# KiCad board kim-1.kicad_pcb (continued)
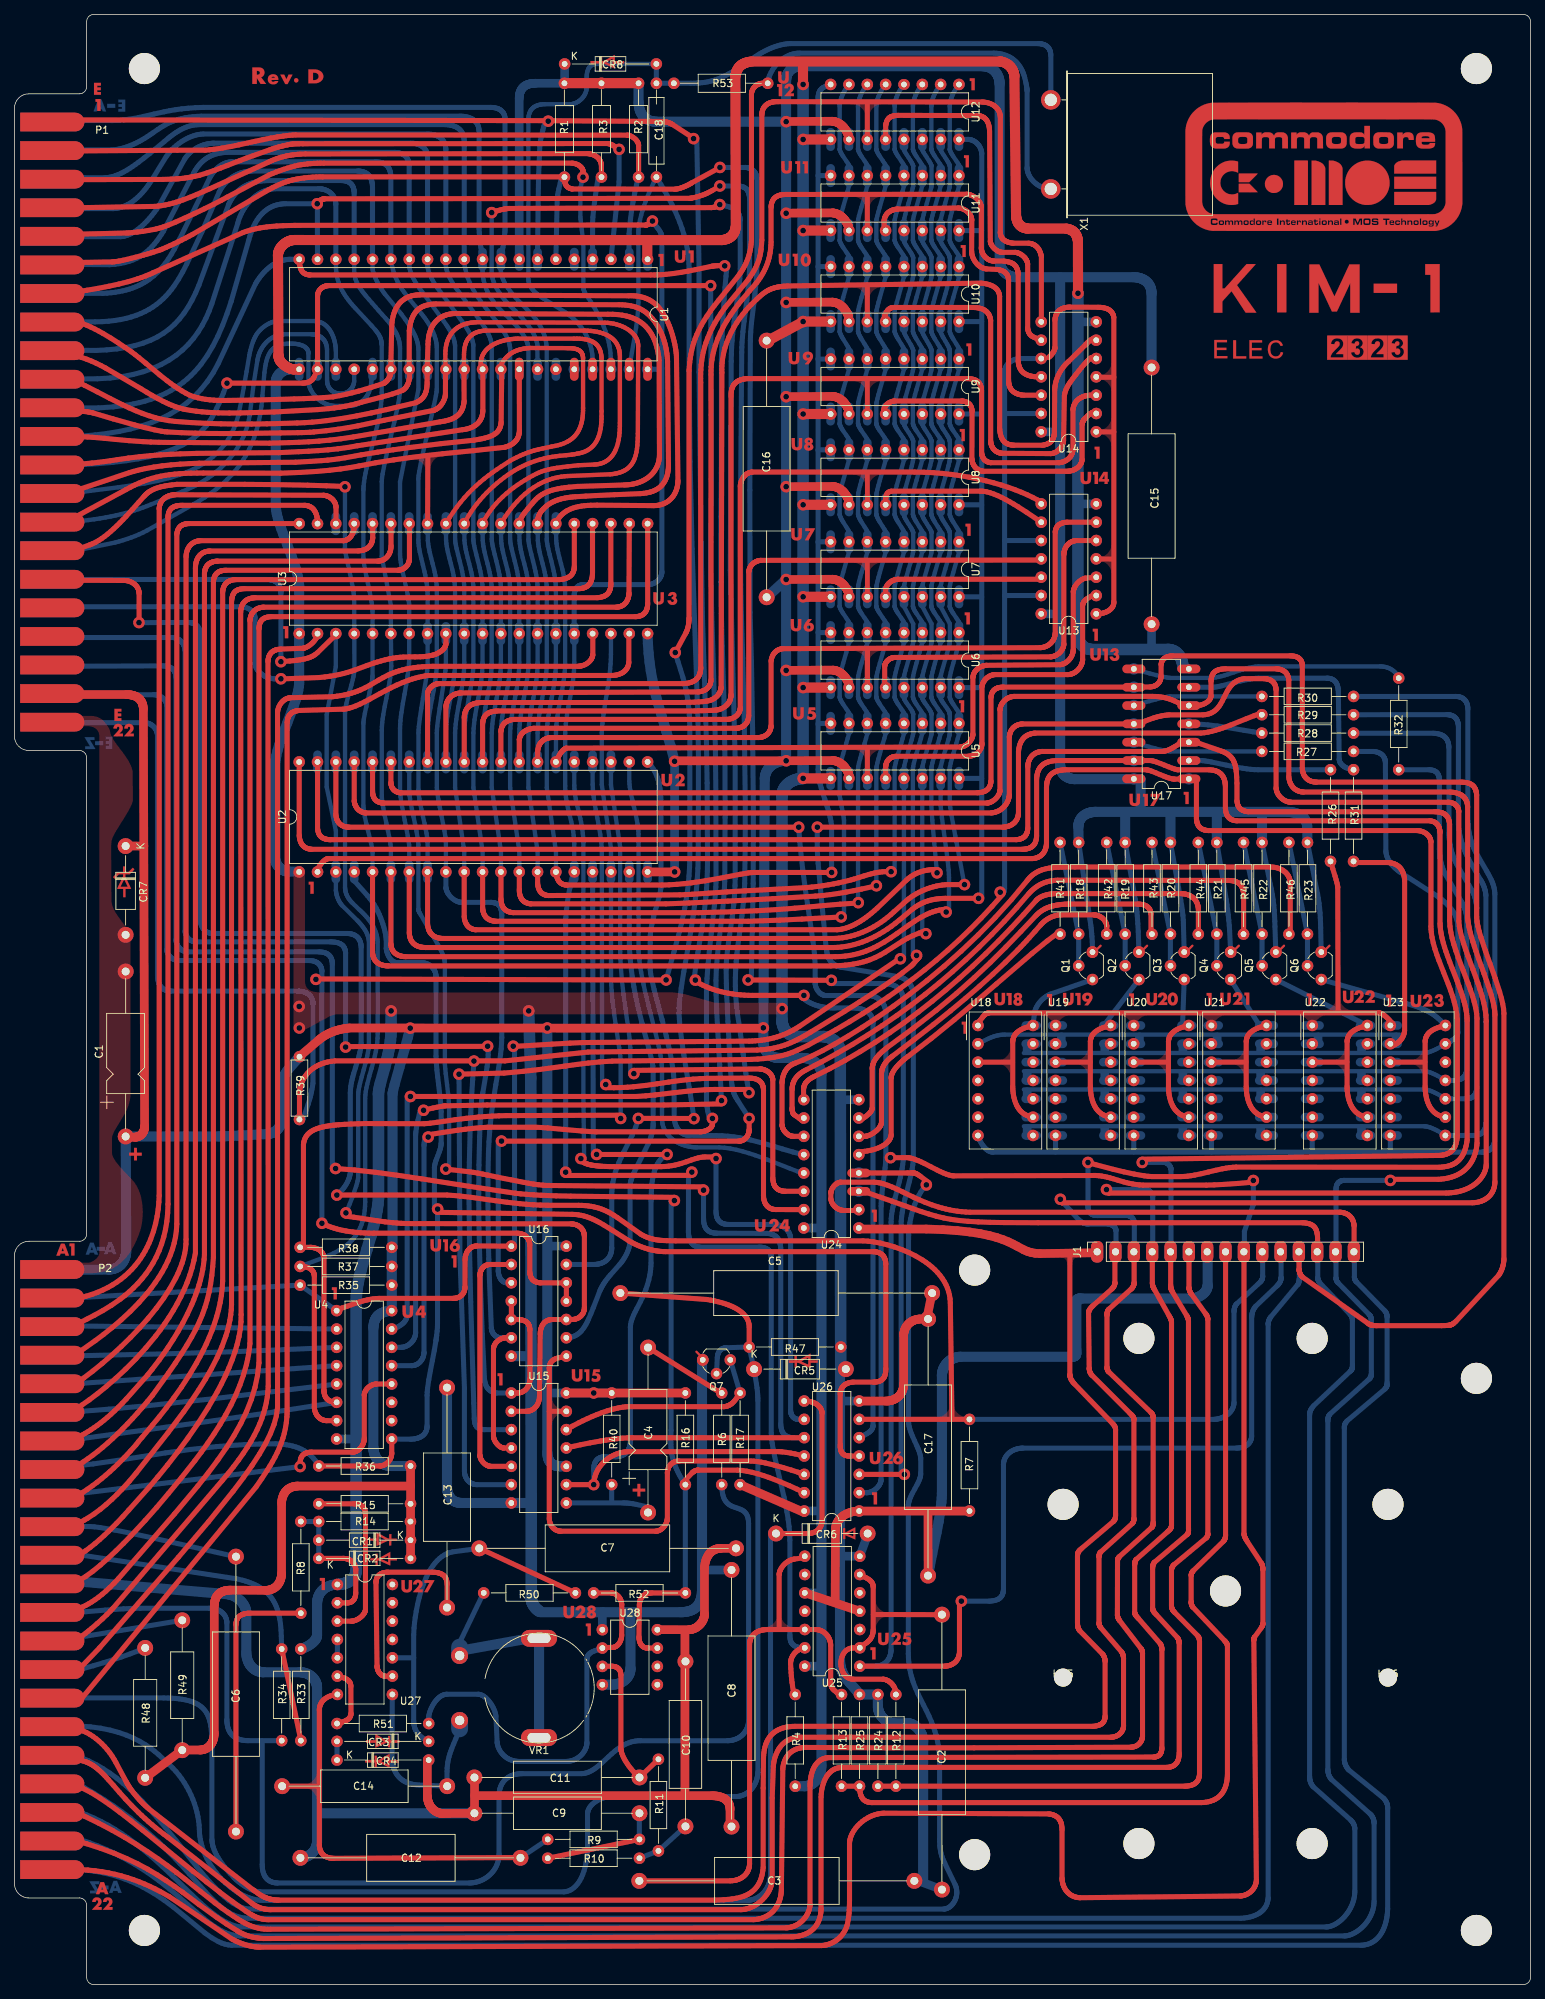
[diagram p0: board, top side]
## Routing (per net, layer and track width the routed paths; a pad name or vN(x,y) marks a point on that pad's centre or on a via; arc(x,y) is an arc through that point) (continued)
Net-(U25A-THR): length 35.6
  Top w0.7: 122.1,40.19 122.1,40.31 122.09,40.43 122.07,40.55 122.05,40.66 122.03,40.77 122,40.88 121.96,40.98 121.92,41.08 121.88,41.17 121.83,41.27 121.78,41.35 121.72,41.44 121.66,41.52 121.6,41.6 121.53,41.67 121.47,41.74 121.4,41.81 121.33,41.87 121.25,41.93 121.18,41.98 121.1,42.03 121.03,42.08 120.95,42.12 120.87,42.16 120.8,42.2 120.72,42.23 120.64,42.25 120.57,42.27 120.49,42.29 120.42,42.3 120.34,42.31 120.27,42.31 116.22,42.31 116.02,42.33 115.82,42.36 115.64,42.42 115.47,42.5 115.32,42.6 115.18,42.71 115.05,42.84 114.93,42.99 114.83,43.15 114.74,43.31 114.66,43.49 114.6,43.68 114.55,43.87 114.51,44.07 114.49,44.27 114.48,44.47 114.48,44.67 114.5,44.87 114.53,45.07 114.58,45.26 114.64,45.45 114.71,45.63 114.8,45.8 114.9,45.96 115.01,46.1 115.14,46.24 115.29,46.35 115.44,46.46 115.62,46.54 115.8,46.6 116.01,46.64 116.22,46.66 117.09,46.65 117.71,47.14 117.89,47.26 118.05,47.39 118.13,47.45 118.2,47.51 118.27,47.57 118.33,47.63 118.39,47.7 118.45,47.76 118.5,47.82 118.55,47.88 118.59,47.95 118.63,48.01 118.71,48.14 118.77,48.26 118.82,48.39 118.86,48.52 118.89,48.65 118.92,48.78 118.93,48.91 118.95,49.04 118.95,49.18 118.95,55.06 118.95,55.15 118.94,55.24 118.93,55.33 118.91,55.41 118.88,55.48 118.85,55.56 118.82,55.63 118.78,55.69 118.74,55.76 118.7,55.82 118.65,55.88 118.59,55.93 118.54,55.99 118.48,56.04 118.35,56.14 118.21,56.23 118.06,56.31 117.91,56.39 117.76,56.47 117.11,56.77 ; 128.47,51.26 118.97,51.28
Net-(U25B-THR): length 80.5
  Top w0.7: 105.92,49.22 105.92,56.78 105.92,56.87 105.93,56.95 105.94,57.03 105.96,57.12 105.99,57.2 106.02,57.29 106.05,57.38 106.09,57.46 106.18,57.64 106.29,57.81 106.41,57.98 106.55,58.14 106.7,58.29 106.87,58.43 107.04,58.56 107.13,58.62 107.23,58.68 107.32,58.73 107.42,58.78 107.52,58.82 107.62,58.86 107.72,58.89 107.83,58.92 107.93,58.94 108.04,58.96 109.48,59.17 ; 86.57,14.37 99.17,14.37 99.44,14.39 99.71,14.42 99.84,14.45 99.96,14.48 100.09,14.52 100.21,14.56 100.32,14.6 100.44,14.65 100.55,14.7 100.66,14.76 100.76,14.82 100.86,14.89 100.95,14.96 101.05,15.04 101.13,15.12 101.22,15.2 101.29,15.29 101.37,15.38 101.44,15.47 101.5,15.57 101.56,15.68 101.61,15.78 101.66,15.89 101.7,16.01 101.74,16.12 101.77,16.24 101.79,16.37 101.81,16.5 101.82,16.63 101.82,16.76 101.82,47.18 101.83,47.29 101.84,47.41 101.85,47.52 101.88,47.63 101.9,47.73 101.94,47.83 101.97,47.93 102.02,48.02 102.07,48.11 102.12,48.2 102.18,48.29 102.24,48.37 102.31,48.44 102.38,48.52 102.46,48.59 102.54,48.65 102.62,48.72 102.71,48.77 102.8,48.83 102.9,48.88 103,48.93 103.1,48.97 103.2,49.01 103.31,49.05 103.42,49.08 103.54,49.11 103.65,49.13 103.77,49.16 103.89,49.17 104.02,49.18 104.14,49.19 104.27,49.2 109.49,49.2 110.93,49.2 111.04,49.19 111.15,49.18 111.26,49.17 111.37,49.15 111.47,49.12 111.57,49.09 111.67,49.06 111.77,49.02 111.86,48.97 111.96,48.92 112.04,48.87 112.13,48.81 112.21,48.75 112.29,48.68 112.37,48.61 112.44,48.54 112.51,48.46 112.58,48.38 112.64,48.3 112.7,48.21 112.75,48.12 112.8,48.03 112.85,47.93 112.89,47.83 112.93,47.73 112.96,47.63 112.99,47.52 113.01,47.42 113.03,47.31 113.05,47.19 113.05,47.08 113.06,46.97 113.06,41.85 113.06,41.76 113.07,41.67 113.08,41.59 113.1,41.51 113.11,41.44 113.14,41.37 113.16,41.31 113.19,41.24 113.22,41.18 113.25,41.13 113.28,41.07 113.32,41.02 113.36,40.98 113.4,40.93 113.48,40.84 113.57,40.76 113.66,40.68 113.84,40.53 113.93,40.45 114.01,40.37 114.1,40.28 114.13,40.24 114.17,40.19 114.56,40.19
Net-(U27-C): length 29.4
  Top w0.7: 52.36,42.73 51.38,42.74 51.32,42.74 51.25,42.75 51.19,42.76 51.13,42.77 51.07,42.79 51.01,42.81 50.95,42.84 50.9,42.87 50.85,42.9 50.8,42.94 50.75,42.98 50.7,43.02 50.66,43.06 50.61,43.11 50.57,43.16 50.54,43.21 50.5,43.26 50.46,43.32 50.43,43.37 50.4,43.43 50.37,43.49 50.35,43.55 50.33,43.61 50.3,43.67 50.29,43.73 50.27,43.79 50.26,43.86 50.24,43.92 50.24,43.98 50.23,44.05 50.23,44.11 50.22,44.17 50.08,55.68 50.08,55.77 50.08,55.86 50.09,55.94 50.11,56.02 50.12,56.09 50.14,56.17 50.17,56.24 50.19,56.31 50.22,56.38 50.26,56.44 50.29,56.5 50.33,56.56 50.37,56.62 50.42,56.67 50.47,56.72 50.52,56.77 50.58,56.81 50.64,56.85 50.7,56.89 50.76,56.93 50.83,56.96 50.9,56.99 50.98,57.02 51.05,57.04 51.13,57.07 51.22,57.09 51.3,57.1 51.39,57.11 51.48,57.12 51.58,57.13 51.68,57.14 51.78,57.14 57.81,57.14 58.09,57.13 58.23,57.12 58.35,57.11 58.47,57.09 58.59,57.07 58.69,57.05 58.8,57.02 58.9,56.99 58.99,56.96 59.08,56.92 59.16,56.88 59.24,56.84 59.32,56.79 59.39,56.74 59.45,56.69 59.51,56.63 59.57,56.57 59.62,56.51 59.67,56.44 59.71,56.38 59.75,56.3 59.78,56.23 59.81,56.16 59.84,56.08 59.86,56 59.9,55.83 59.92,55.65 59.93,55.46 59.93,52.21
Net-(U27-DEM_OUT): length 61
  Top w0.7: 37.09,27.49 42.22,27.49 ; 44.72,40.19 44.53,40.17 44.32,40.15 44.12,40.11 43.91,40.05 43.7,39.98 43.49,39.89 43.29,39.79 43.1,39.66 43.01,39.6 42.92,39.53 42.84,39.45 42.76,39.37 42.68,39.29 42.61,39.2 42.55,39.1 42.49,39.01 42.43,38.9 42.38,38.8 42.34,38.69 42.3,38.57 42.27,38.45 42.25,38.33 42.24,38.2 42.23,38.06 42.23,19.38 42.24,19.2 42.26,19.02 42.29,18.84 42.34,18.67 42.37,18.59 42.4,18.51 42.44,18.43 42.48,18.36 42.52,18.28 42.57,18.21 42.62,18.14 42.68,18.07 42.74,18.01 42.8,17.95 42.87,17.89 42.95,17.84 43.02,17.79 43.11,17.74 43.2,17.69 43.29,17.65 43.39,17.62 43.5,17.59 43.61,17.56 43.72,17.54 43.85,17.52 43.97,17.5 44.11,17.5 44.25,17.49 70.11,17.6
  Bottom w0.7: 70.07,17.54 73.85,20.11
Net-(U27-R): length 26.8
  Bottom w0.7: 61.66,35.42 61.54,35.07 61.4,34.72 61.13,34.04 60.84,33.36 60.56,32.68 60.43,32.32 60.31,31.97 60.2,31.6 60.11,31.22 60.03,30.83 59.97,30.42 59.94,30 59.92,29.55 59.92,27.5 56.06,27.64 55.69,27.67 55.33,27.72 54.98,27.79 54.65,27.89 54.48,27.95 54.32,28.01 54.17,28.09 54.02,28.16 53.87,28.25 53.73,28.35 53.59,28.45 53.46,28.56 53.34,28.68 53.22,28.8 53.1,28.93 52.99,29.08 52.89,29.23 52.8,29.38 52.71,29.55 52.64,29.73 52.56,29.91 52.5,30.11 52.45,30.31 52.4,30.52 52.36,30.75 52.34,30.98 52.32,31.22 52.31,31.47 52.33,40.18
Net-(U27-REF_OUT): length 8.9
  Top w0.7: 44.75,42.73 45.08,42.65 45.25,42.61 45.41,42.56 45.57,42.51 45.72,42.45 45.87,42.39 46,42.32 46.13,42.24 46.19,42.19 46.24,42.15 46.29,42.1 46.34,42.04 46.39,41.99 46.43,41.93 46.46,41.86 46.5,41.79 46.52,41.72 46.55,41.64 46.57,41.56 46.58,41.48 46.59,41.39 46.6,41.29 46.62,37.6 46.62,37.51 46.6,37.43 46.59,37.34 46.57,37.27 46.54,37.2 46.51,37.13 46.48,37.06 46.44,37 46.39,36.94 46.35,36.89 46.29,36.84 46.24,36.79 46.18,36.74 46.12,36.7 46.05,36.66 45.99,36.62 45.92,36.58 45.84,36.54 45.69,36.48 45.54,36.42 45.37,36.37 45.21,36.32 45.04,36.27 44.7,36.17
Net-(U27-VCO_IN): length 2.5
  Bottom w0.7: U27.5 U27.4
Net-(U28-+): length 59.7
  Top w0.7: 81.44,46.71 82.74,46.71 82.82,46.71 82.9,46.72 82.97,46.73 83.05,46.75 83.12,46.77 83.19,46.8 83.26,46.83 83.32,46.86 83.38,46.9 83.44,46.95 83.5,46.99 83.56,47.04 83.61,47.1 83.66,47.15 83.71,47.21 83.75,47.28 83.84,47.41 83.91,47.55 83.97,47.7 84.02,47.85 84.06,48 84.09,48.16 84.11,48.32 84.12,48.48 84.12,52.58 84.11,52.67 84.11,52.77 84.1,52.86 84.08,52.94 84.06,53.03 84.04,53.11 84.01,53.19 83.98,53.27 83.95,53.34 83.92,53.42 83.88,53.49 83.84,53.55 83.79,53.62 83.75,53.68 83.7,53.74 83.65,53.8 83.59,53.85 83.54,53.9 83.48,53.95 83.42,53.99 83.37,54.03 83.3,54.07 83.24,54.11 83.18,54.14 83.12,54.17 83.05,54.19 82.99,54.21 82.92,54.23 82.86,54.24 82.79,54.26 82.73,54.26 82.66,54.27 80.25,54.27
  Bottom w0.7: 57.38,36.16 57.38,36.97 57.38,37.06 57.39,37.15 57.42,37.37 57.48,37.6 57.56,37.85 57.66,38.12 57.78,38.39 57.92,38.66 58.08,38.93 58.17,39.06 58.26,39.19 58.35,39.31 58.45,39.43 58.55,39.54 58.66,39.65 58.77,39.75 58.88,39.84 59,39.92 59.12,40 59.25,40.07 59.38,40.12 59.51,40.17 59.64,40.2 59.78,40.22 59.91,40.23 64.21,40.23 64.32,40.22 64.43,40.2 64.54,40.18 64.65,40.14 64.76,40.09 64.87,40.04 64.97,39.97 65.08,39.9 65.18,39.82 65.29,39.74 65.49,39.55 65.68,39.34 65.86,39.11 66.03,38.87 66.18,38.62 66.32,38.36 66.44,38.1 66.54,37.85 66.61,37.6 66.67,37.37 66.69,37.15 66.86,33.63 66.87,33.52 66.88,33.41 66.92,33.18 66.99,32.94 67.08,32.71 67.2,32.48 67.34,32.26 67.5,32.05 67.59,31.94 67.68,31.84 67.78,31.74 67.88,31.65 67.99,31.56 68.11,31.48 68.23,31.4 68.35,31.32 68.48,31.25 68.62,31.19 68.76,31.13 68.9,31.08 69.05,31.03 69.21,30.99 69.36,30.96 69.53,30.94 69.7,30.93 69.87,30.92 76.48,30.92 76.63,30.93 76.78,30.94 76.93,30.96 77.07,30.99 77.21,31.03 77.34,31.07 77.48,31.12 77.61,31.17 77.73,31.23 77.85,31.3 77.97,31.37 78.09,31.45 78.2,31.53 78.3,31.61 78.4,31.7 78.5,31.79 78.59,31.89 78.68,31.99 78.76,32.09 78.84,32.19 78.91,32.3 78.97,32.41 79.03,32.52 79.09,32.63 79.14,32.75 79.18,32.86 79.21,32.98 79.24,33.1 79.27,33.21 79.28,33.33 79.29,33.45 79.3,33.56 79.3,45.11 79.3,45.21 79.32,45.3 79.34,45.39 79.37,45.47 79.4,45.54 79.44,45.62 79.49,45.69 79.54,45.75 79.59,45.81 79.65,45.86 79.72,45.92 79.79,45.97 79.93,46.05 80.09,46.13 80.25,46.2 80.42,46.27 80.76,46.39 81.1,46.5 81.25,46.57 81.4,46.64
Net-(U28--): length 22
  Top w0.7: 89.2,31.21 86.57,28.7 86.36,28.89 86.14,29.09 85.92,29.31 85.7,29.55 85.49,29.8 85.28,30.06 85.07,30.32 84.88,30.6 84.7,30.87 84.54,31.15 84.39,31.43 84.26,31.71 84.16,31.98 84.08,32.24 84.05,32.37 84.02,32.49 84.01,32.62 84,32.73 84,42.82 84,42.96 83.98,43.09 83.96,43.21 83.93,43.33 83.91,43.39 83.89,43.45 83.87,43.5 83.84,43.55 83.82,43.6 83.79,43.65 83.75,43.7 83.71,43.74 83.68,43.78 83.63,43.82 83.59,43.86 83.54,43.89 83.49,43.93 83.43,43.96 83.37,43.98 83.31,44.01 83.24,44.03 83.17,44.05 83.1,44.07 83.02,44.08 82.94,44.09 82.85,44.1 82.76,44.11 82.67,44.11 81.43,44.1

## Copper pours and planes (outline as drawn; the poured copper is in the pictures)
GND on Top: 40.25,138.91 40.27,138.79 40.29,138.67 40.32,138.56 40.35,138.45 40.39,138.36 40.43,138.27 40.48,138.18 40.53,138.1 40.59,138.03 40.65,137.97 40.72,137.91 40.79,137.86 40.86,137.81 40.94,137.76 41.02,137.72 41.1,137.69 41.19,137.65 41.37,137.6 41.56,137.56 41.76,137.53 41.96,137.51 42.17,137.49 42.6,137.47 91.13,137.48 91.21,137.48 91.3,137.47 91.5,137.45 91.74,137.42 92,137.39 92.26,137.34 92.51,137.3 92.74,137.26 92.94,137.21 96.87,136.08 97.06,136.05 97.16,136.05 97.26,136.04 97.36,136.04 97.46,136.04 97.65,136.04 106.23,136.04 106.23,134.44 44.62,134.44 44.56,134.44 44.5,134.43 44.44,134.42 44.37,134.41 44.3,134.39 44.23,134.37 44.15,134.35 44.08,134.33 43.94,134.28 43.8,134.22 43.67,134.16 43.56,134.11 40.2,132.28 38.66,132.55 38.64,154.23 40.24,154.23 40.24,139.05
GND on Top: 10.72,175.79 10.78,175.79 10.85,175.79 10.91,175.78 10.97,175.77 11.1,175.75 11.21,175.73 11.32,175.71 11.41,175.68 11.49,175.65 11.55,175.62 11.68,175.56 11.76,175.52 11.84,175.48 11.92,175.43 12.21,175.22 12.27,175.17 12.33,175.12 12.38,175.06 12.44,175 12.5,174.94 12.56,174.87 12.61,174.8 12.67,174.73 12.73,174.65 12.78,174.57 12.84,174.5 12.89,174.42 12.95,174.33 13,174.25 13.27,173.52 13.3,173.39 13.34,173.25 13.39,173.1 13.46,172.96 13.62,172.65 13.83,172.33 14.06,172 14.31,171.65 14.85,170.94 15.13,170.57 15.39,170.2 15.64,169.82 15.87,169.44 15.97,169.25 16.06,169.06 16.15,168.87 16.22,168.68 16.28,168.49 16.33,168.31 16.36,168.12 16.39,167.93 16.4,164.19 16.4,164.09 16.38,163.96 16.35,163.83 16.3,163.69 16.17,163.38 16.01,163.03 15.81,162.66 15.58,162.27 15.09,161.46 14.57,160.65 14.1,159.88 13.9,159.53 13.73,159.21 13.6,158.92 13.52,158.67 13.5,158.61 13.48,158.55 13.47,158.48 13.46,158.42 13.44,158.29 13.42,158.16 13.41,158.03 13.41,157.9 13.4,157.77 13.4,157.64 13.44,150.23 13.44,150.13 13.46,150.03 13.47,149.93 13.49,149.83 13.51,149.72 13.54,149.62 13.57,149.51 13.61,149.4 13.65,149.29 13.69,149.18 13.74,149.07 13.79,148.96 13.84,148.85 13.9,148.73 13.97,148.62 14.04,148.5 14.21,148.25 14.38,147.99 14.75,147.48 15.41,146.57 15.67,145.78 15.8,145.4 16.08,144.61 16.08,123.33 16.07,123.19 16.06,123.05 16.05,122.91 16.03,122.77 16,122.62 15.97,122.48 15.94,122.34 15.9,122.19 15.86,122.05 15.82,121.91 15.73,121.64 15.63,121.37 15.52,121.13 15.4,120.89 15.26,120.64 14.96,120.12 14.3,119.05 14,118.54 13.87,118.3 13.75,118.07 13.66,117.86 13.58,117.67 13.54,117.5 13.53,117.42 13.52,117.35 13.52,115.15 13.52,115.08 13.54,115.01 13.56,114.93 13.58,114.85 13.61,114.77 13.65,114.69 13.74,114.51 13.86,114.32 13.99,114.12 14.14,113.91 14.31,113.69 14.5,113.47 14.69,113.24 15.11,112.77 15.56,112.29 16.03,111.81 16.16,111.68 16.28,111.55 16.39,111.43 16.49,111.3 16.59,111.18 16.68,111.06 16.76,110.94 16.84,110.82 16.91,110.69 16.98,110.56 17.05,110.43 17.12,110.3 17.18,110.16 17.24,110.01 17.37,109.69 17.42,109.52 17.48,109.35 17.52,109.17 17.57,108.99 17.6,108.82 17.64,108.64 17.69,108.29 17.73,107.94 17.76,107.62 17.77,107.32 17.78,107.04 17.78,106.88 17.77,106.72 17.75,106.38 17.72,106.05 17.69,105.7 17.62,105.27 17.58,105.09 17.55,104.92 17.51,104.77 17.47,104.62 17.42,104.47 17.37,104.32 17.13,103.68 16.88,103.07 16.61,102.49 16.31,101.95 16,101.44 15.66,100.97 15.29,100.54 15.1,100.34 14.9,100.15 14.7,99.97 14.49,99.8 14.27,99.64 14.04,99.49 13.81,99.35 13.56,99.22 13.32,99.1 13.06,99 12.79,98.9 12.52,98.82 12.24,98.75 11.94,98.69 11.64,98.64 11.34,98.61 11.02,98.58 10.69,98.57 7.73,98.57 7.73,100.03 10.18,100.03 10.25,100.04 10.31,100.04 10.38,100.05 10.45,100.07 10.52,100.09 10.58,100.11 10.72,100.16 10.85,100.23 10.99,100.31 11.11,100.39 11.23,100.49 11.34,100.59 11.45,100.7 11.54,100.82 11.58,100.88 11.61,100.94 11.65,101 11.68,101.06 11.7,101.12 11.72,101.18 11.74,101.24 11.75,101.31 11.76,101.37 11.76,101.43 11.76,173.03 11.76,173.09 11.75,173.16 11.74,173.22 11.73,173.28 11.71,173.35 11.69,173.41 11.67,173.47 11.65,173.53 11.62,173.58 11.6,173.64 11.56,173.69 11.53,173.74 11.49,173.8 11.45,173.85 11.41,173.89 11.36,173.94 11.32,173.98 11.27,174.02 11.21,174.06 11.16,174.1 11.1,174.14 11.03,174.17 10.97,174.2 10.9,174.23 10.83,174.26 10.76,174.28 10.68,174.3 10.61,174.32 10.52,174.34 10.44,174.35 10.35,174.36 10.26,174.37 7.7,174.39 7.7,175.81
GND on Bottom: 14.54,122.17 14.49,122.27 14.45,122.37 14.41,122.48 14.38,122.59 14.35,122.7 14.33,122.81 14.31,122.92 14.3,123.03 14.29,123.15 14.29,145.46 16.49,145.46 16.49,141.04 16.87,140.3 17.29,139.55 17.53,139.13 17.8,138.69 18.08,138.25 18.38,137.83 18.68,137.43 18.98,137.07 19.13,136.91 19.27,136.77 19.42,136.65 19.56,136.54 19.7,136.45 19.83,136.39 19.96,136.35 20.09,136.34 39.43,136.34 39.55,131.75 39.24,131.69 38.91,131.64 38.23,131.55 37.89,131.5 37.55,131.45 37.22,131.39 36.9,131.32 36.75,131.28 36.6,131.24 36.46,131.19 36.33,131.13 36.2,131.07 36.08,131 35.97,130.93 35.87,130.85 35.77,130.77 35.69,130.67 35.62,130.57 35.56,130.46 35.51,130.34 35.48,130.21 35.45,130.08 35.45,129.93 35.45,123.03 35.44,122.91 35.43,122.79 35.41,122.67 35.39,122.55 35.36,122.43 35.33,122.32 35.29,122.22 35.25,122.11 35.2,122.01 35.15,121.91 35.09,121.82 35.02,121.73 34.96,121.64 34.88,121.56 34.81,121.48 34.72,121.4 34.64,121.33 34.55,121.27 34.46,121.2 34.36,121.14 34.26,121.09 34.15,121.04 34.05,120.99 33.93,120.95 33.82,120.91 33.7,120.88 33.58,120.85 33.46,120.83 33.33,120.81 33.2,120.8 33.07,120.79 32.94,120.78 16.65,120.78 16.53,120.79 16.42,120.8 16.3,120.82 16.19,120.84 16.08,120.87 15.97,120.91 15.87,120.95 15.76,120.99 15.66,121.04 15.56,121.1 15.46,121.16 15.36,121.22 15.27,121.29 15.18,121.36 15.1,121.44 15.01,121.52 14.94,121.6 14.86,121.69 14.79,121.78 14.72,121.87 14.66,121.97 14.6,122.07
/A on Top: 181.61,134.57 181.66,134.54 181.67,134.53 181.7,134.47 181.7,134.46 181.7,134.4 181.69,134.39 181.66,134.34 181.65,134.33 181.59,134.31 181.53,134.3 181.47,134.29 181.41,134.28 181.35,134.26 181.22,134.22 181.09,134.16 180.97,134.1 180.85,134.02 180.73,133.94 180.62,133.84 180.51,133.75 180.42,133.65 180.33,133.54 180.26,133.44 180.23,133.39 180.21,133.34 180.18,133.29 180.16,133.24 180.15,133.2 180.14,133.15 180.13,133.11 180.13,133.06 179.99,132.94 179.55,132.94 179.51,132.94 179.41,133.1 179.4,133.15 179.39,133.19 179.37,133.24 179.35,133.29 179.33,133.34 179.3,133.39 179.27,133.44 179.2,133.55 179.12,133.65 179.02,133.76 178.92,133.85 178.81,133.95 178.7,134.03 178.64,134.07 178.58,134.11 178.52,134.14 178.46,134.17 178.39,134.2 178.33,134.23 178.27,134.25 178.21,134.27 178.15,134.28 178.09,134.29 178.03,134.3 177.96,134.31 177.97,134.57 181.57,134.57
/A on Top: 146.05,134.57 146.1,134.54 146.11,134.53 146.14,134.47 146.15,134.46 146.14,134.4 146.13,134.39 146.1,134.34 146.09,134.33 146.03,134.31 145.97,134.3 145.91,134.29 145.85,134.28 145.79,134.26 145.66,134.22 145.53,134.16 145.41,134.1 145.29,134.02 145.17,133.94 145.06,133.85 144.95,133.75 144.86,133.65 144.77,133.54 144.7,133.44 144.67,133.39 144.65,133.34 144.62,133.29 144.6,133.24 144.59,133.2 144.58,133.15 144.57,133.11 144.57,133.06 144.44,132.94 143.99,132.94 143.85,133.1 143.84,133.15 143.83,133.19 143.81,133.24 143.79,133.29 143.77,133.34 143.74,133.39 143.71,133.44 143.64,133.55 143.56,133.65 143.46,133.76 143.36,133.85 143.25,133.95 143.14,134.03 143.08,134.07 143.02,134.11 142.96,134.14 142.9,134.17 142.83,134.2 142.77,134.23 142.71,134.25 142.65,134.27 142.59,134.28 142.53,134.29 142.47,134.3 142.4,134.31 142.41,134.57 146.01,134.57
/A on Top: 167.64,134.57 167.69,134.54 167.7,134.53 167.73,134.47 167.73,134.46 167.73,134.4 167.72,134.39 167.69,134.34 167.67,134.33 167.62,134.31 167.55,134.3 167.5,134.29 167.43,134.28 167.37,134.26 167.25,134.22 167.12,134.16 167,134.1 166.87,134.02 166.76,133.94 166.64,133.85 166.54,133.75 166.45,133.65 166.36,133.54 166.29,133.44 166.26,133.39 166.23,133.34 166.21,133.29 166.19,133.24 166.18,133.2 166.17,133.15 166.16,133.11 166.16,133.06 166.02,132.94 165.58,132.94 165.44,133.1 165.43,133.15 165.42,133.19 165.4,133.24 165.38,133.29 165.36,133.34 165.33,133.39 165.3,133.44 165.23,133.55 165.15,133.65 165.05,133.76 164.95,133.85 164.84,133.95 164.73,134.03 164.67,134.07 164.61,134.11 164.55,134.14 164.48,134.17 164.42,134.2 164.36,134.23 164.3,134.25 164.24,134.27 164.18,134.28 164.11,134.29 164.05,134.3 163.99,134.31 164,134.57 167.6,134.57
/A on Top: 183.69,136.21 183.69,136.17 183.7,136.12 183.72,136.08 183.74,136.03 183.76,135.98 183.79,135.93 183.82,135.88 183.89,135.77 183.97,135.67 184.07,135.57 184.17,135.47 184.28,135.38 184.4,135.3 184.52,135.22 184.65,135.15 184.78,135.1 184.9,135.05 184.96,135.04 185.02,135.02 185.08,135.02 185.14,135.01 185.18,135 185.23,134.96 185.24,134.95 185.26,134.9 185.26,134.88 185.25,134.82 185.24,134.81 185.2,134.77 185.19,134.76 185.13,134.74 181.53,134.75 181.52,135.01 181.58,135.02 181.64,135.02 181.7,135.04 181.76,135.05 181.83,135.07 181.89,135.09 181.95,135.12 182.01,135.15 182.07,135.18 182.13,135.21 182.19,135.25 182.25,135.29 182.37,135.37 182.48,135.47 182.58,135.56 182.67,135.67 182.76,135.77 182.83,135.88 182.86,135.93 182.89,135.98 182.91,136.03 182.93,136.08 182.95,136.13 182.96,136.17 182.97,136.22 182.98,136.27 182.99,136.3 183.11,136.38 183.55,136.38
/A on Top: 156.87,134.57 156.93,134.54 156.94,134.53 156.97,134.47 156.97,134.46 156.96,134.4 156.96,134.39 156.92,134.34 156.91,134.33 156.85,134.31 156.79,134.3 156.73,134.29 156.67,134.28 156.61,134.26 156.48,134.22 156.36,134.16 156.23,134.1 156.11,134.02 155.99,133.94 155.88,133.85 155.78,133.75 155.68,133.65 155.6,133.54 155.53,133.44 155.5,133.39 155.47,133.34 155.45,133.29 155.43,133.24 155.41,133.2 155.4,133.15 155.39,133.11 155.39,133.06 155.26,132.94 154.81,132.94 154.78,132.94 154.68,133.1 154.67,133.15 154.65,133.19 154.64,133.24 154.62,133.29 154.59,133.34 154.57,133.39 154.53,133.44 154.46,133.55 154.38,133.65 154.29,133.76 154.19,133.85 154.08,133.95 153.96,134.03 153.9,134.07 153.84,134.11 153.78,134.14 153.72,134.17 153.66,134.2 153.6,134.23 153.53,134.25 153.47,134.27 153.41,134.28 153.35,134.29 153.29,134.3 153.23,134.31 153.24,134.57 156.84,134.57
/A0 on Bottom: 111.58,189.26 111.59,189.25 111.64,189.21 111.65,189.2 111.67,189.14 111.67,189.08 111.68,189.02 111.7,188.96 111.71,188.9 111.76,188.77 111.81,188.65 111.88,188.52 111.96,188.4 112.04,188.28 112.13,188.17 112.23,188.07 112.33,187.97 112.43,187.89 112.54,187.82 112.59,187.79 112.64,187.76 112.69,187.74 112.74,187.72 112.78,187.7 112.83,187.69 112.87,187.69 112.92,187.68 113.04,187.55 113.04,187.11 113.03,187.07 112.93,186.98 112.88,186.97 112.83,186.96 112.79,186.95 112.74,186.93 112.69,186.91 112.64,186.88 112.59,186.86 112.53,186.83 112.43,186.75 112.32,186.67 112.22,186.58 112.12,186.48 112.03,186.37 111.95,186.25 111.91,186.19 111.87,186.13 111.84,186.07 111.81,186.01 111.78,185.95 111.75,185.89 111.73,185.83 111.71,185.76 111.7,185.7 111.68,185.64 111.68,185.58 111.67,185.52 111.41,185.53 111.4,189.13 111.41,189.17 111.44,189.22 111.45,189.23 111.5,189.26 111.52,189.26
/A0 on Bottom: 111.57,239.98 111.59,239.98 111.63,239.94 111.64,239.93 111.66,239.87 111.67,239.81 111.68,239.75 111.69,239.69 111.71,239.63 111.75,239.5 111.81,239.38 111.88,239.25 111.95,239.13 112.04,239.01 112.13,238.9 112.23,238.79 112.33,238.7 112.43,238.62 112.53,238.54 112.58,238.51 112.63,238.49 112.68,238.47 112.73,238.45 112.78,238.43 112.82,238.42 112.87,238.41 112.91,238.41 113.03,238.28 113.03,237.83 113.03,237.8 112.87,237.7 112.83,237.69 112.78,237.67 112.73,237.66 112.68,237.64 112.63,237.61 112.58,237.58 112.53,237.55 112.42,237.48 112.32,237.4 112.22,237.31 112.12,237.2 112.03,237.1 111.94,236.98 111.9,236.92 111.87,236.86 111.83,236.8 111.8,236.74 111.77,236.68 111.75,236.61 111.73,236.55 111.71,236.49 111.69,236.43 111.68,236.37 111.67,236.31 111.67,236.25 111.4,236.25 111.4,239.86 111.4,239.89 111.43,239.95 111.44,239.96 111.5,239.98 111.51,239.99
/A0 on Bottom: 111.58,176.67 111.59,176.67 111.64,176.63 111.65,176.62 111.67,176.56 111.67,176.5 111.68,176.44 111.7,176.38 111.71,176.32 111.76,176.19 111.81,176.06 111.88,175.94 111.96,175.82 112.04,175.7 112.13,175.59 112.23,175.48 112.33,175.39 112.43,175.31 112.54,175.23 112.59,175.2 112.64,175.18 112.69,175.15 112.74,175.13 112.78,175.12 112.83,175.11 112.87,175.1 112.92,175.1 113.04,174.97 113.04,174.52 112.88,174.39 112.83,174.38 112.79,174.36 112.74,174.35 112.69,174.32 112.64,174.3 112.59,174.27 112.53,174.24 112.43,174.17 112.32,174.09 112.22,173.99 112.12,173.89 112.03,173.78 111.95,173.67 111.91,173.61 111.87,173.55 111.84,173.49 111.81,173.43 111.78,173.37 111.75,173.3 111.73,173.24 111.71,173.18 111.7,173.12 111.68,173.06 111.68,173 111.67,172.93 111.41,172.94 111.4,176.55 111.41,176.58 111.44,176.64 111.45,176.65 111.5,176.67 111.52,176.68
/A0 on Bottom: 111.58,201.84 111.59,201.83 111.64,201.8 111.65,201.79 111.67,201.73 111.67,201.67 111.68,201.61 111.7,201.55 111.71,201.49 111.76,201.36 111.81,201.23 111.88,201.11 111.96,200.99 112.04,200.87 112.13,200.76 112.23,200.65 112.33,200.56 112.43,200.47 112.54,200.4 112.59,200.37 112.64,200.35 112.69,200.32 112.74,200.3 112.78,200.29 112.83,200.28 112.87,200.27 112.92,200.27 113.04,200.13 113.04,199.69 113.03,199.65 112.88,199.55 112.83,199.54 112.79,199.53 112.74,199.51 112.69,199.49 112.64,199.47 112.59,199.44 112.53,199.41 112.43,199.34 112.32,199.26 112.22,199.16 112.12,199.06 112.03,198.95 111.95,198.84 111.91,198.78 111.87,198.72 111.84,198.66 111.81,198.6 111.78,198.53 111.75,198.47 111.73,198.41 111.71,198.35 111.7,198.29 111.68,198.23 111.68,198.17 111.67,198.1 111.41,198.11 111.4,201.71 111.41,201.75 111.44,201.8 111.45,201.81 111.5,201.84 111.52,201.84
/A0 on Bottom: 111.57,227.17 111.58,227.16 111.63,227.12 111.64,227.11 111.66,227.06 111.67,226.99 111.68,226.93 111.69,226.87 111.71,226.81 111.75,226.69 111.81,226.56 111.87,226.43 111.95,226.31 112.03,226.19 112.13,226.08 112.22,225.98 112.32,225.88 112.43,225.8 112.53,225.73 112.58,225.7 112.63,225.67 112.68,225.65 112.73,225.63 112.77,225.62 112.82,225.6 112.86,225.6 112.91,225.59 113.03,225.46 113.03,225.02 112.99,224.92 112.92,224.89 112.87,224.88 112.82,224.87 112.78,224.86 112.73,224.84 112.68,224.82 112.63,224.8 112.58,224.77 112.53,224.74 112.42,224.67 112.32,224.58 112.21,224.49 112.12,224.39 112.02,224.28 111.94,224.16 111.9,224.11 111.86,224.05 111.83,223.98 111.8,223.92 111.77,223.86 111.74,223.8 111.72,223.74 111.7,223.67 111.69,223.61 111.68,223.55 111.67,223.49 111.66,223.43 111.4,223.44 111.4,227.04 111.4,227.08 111.43,227.13 111.44,227.14 111.5,227.17 111.51,227.17
/A0 on Bottom: 111.57,252.59 111.58,252.58 111.63,252.55 111.64,252.54 111.66,252.48 111.66,252.42 111.67,252.36 111.69,252.3 111.7,252.24 111.75,252.11 111.8,251.98 111.87,251.86 111.94,251.74 112.03,251.62 112.12,251.51 112.22,251.4 112.32,251.31 112.42,251.22 112.53,251.15 112.58,251.12 112.63,251.1 112.68,251.07 112.72,251.05 112.77,251.04 112.82,251.03 112.86,251.02 112.9,251.02 113.03,250.89 113.03,250.44 113.02,250.4 112.98,250.34 112.86,250.3 112.82,250.29 112.77,250.28 112.73,250.26 112.68,250.24 112.63,250.22 112.57,250.19 112.52,250.16 112.42,250.09 112.31,250.01 112.21,249.91 112.11,249.81 112.02,249.7 111.94,249.59 111.9,249.53 111.86,249.47 111.83,249.41 111.79,249.35 111.77,249.28 111.74,249.22 111.72,249.16 111.7,249.1 111.68,249.04 111.67,248.98 111.66,248.92 111.66,248.85 111.39,248.86 111.39,252.46 111.4,252.5 111.43,252.55 111.44,252.56 111.49,252.59 111.5,252.6
/A0 on Bottom: 111.57,214.59 111.58,214.58 111.63,214.54 111.64,214.53 111.66,214.47 111.67,214.41 111.68,214.35 111.69,214.29 111.71,214.23 111.75,214.1 111.81,213.98 111.87,213.85 111.95,213.73 112.03,213.61 112.13,213.5 112.22,213.4 112.32,213.3 112.43,213.22 112.53,213.15 112.58,213.12 112.63,213.09 112.68,213.07 112.73,213.05 112.78,213.03 112.82,213.02 112.86,213.02 112.91,213.01 113.03,212.88 113.03,212.44 113.03,212.4 112.87,212.3 112.83,212.29 112.78,212.28 112.73,212.26 112.68,212.24 112.63,212.22 112.58,212.19 112.53,212.16 112.42,212.09 112.32,212 112.22,211.91 112.12,211.81 112.03,211.7 111.94,211.58 111.9,211.52 111.87,211.46 111.83,211.4 111.8,211.34 111.77,211.28 111.75,211.22 111.72,211.16 111.7,211.09 111.69,211.03 111.68,210.97 111.67,210.91 111.66,210.85 111.4,210.86 111.4,214.46 111.4,214.5 111.43,214.55 111.44,214.56 111.5,214.59 111.51,214.59
/A7 on Bottom: 133.83,194.21 133.84,194.2 133.89,194.16 133.89,194.15 133.91,194.09 133.9,190.49 133.64,190.48 133.64,190.54 133.63,190.6 133.62,190.66 133.6,190.72 133.58,190.79 133.56,190.85 133.53,190.91 133.51,190.97 133.47,191.03 133.44,191.09 133.4,191.15 133.36,191.21 133.28,191.33 133.19,191.44 133.09,191.54 132.99,191.63 132.88,191.72 132.78,191.79 132.73,191.82 132.67,191.85 132.62,191.87 132.57,191.89 132.53,191.91 132.48,191.92 132.43,191.93 132.39,191.94 132.29,192 132.27,192.07 132.27,192.51 132.44,192.65 132.48,192.65 132.53,192.66 132.58,192.68 132.62,192.7 132.67,192.72 132.72,192.75 132.77,192.78 132.88,192.85 132.98,192.93 133.08,193.03 133.18,193.13 133.27,193.24 133.35,193.36 133.43,193.48 133.5,193.61 133.55,193.74 133.6,193.86 133.61,193.92 133.63,193.98 133.64,194.04 133.64,194.1 133.65,194.14 133.69,194.19 133.7,194.2 133.76,194.22 133.77,194.22
/A7 on Bottom: 133.83,232.35 133.84,232.34 133.89,232.3 133.89,232.29 133.91,232.23 133.91,228.62 133.64,228.62 133.64,228.68 133.63,228.74 133.62,228.8 133.6,228.86 133.58,228.92 133.56,228.98 133.53,229.05 133.51,229.11 133.47,229.17 133.44,229.23 133.4,229.29 133.36,229.35 133.28,229.47 133.19,229.57 133.09,229.68 132.99,229.77 132.88,229.85 132.78,229.92 132.73,229.95 132.67,229.98 132.62,230.01 132.57,230.03 132.53,230.04 132.48,230.06 132.43,230.07 132.39,230.07 132.27,230.2 132.27,230.65 132.44,230.78 132.48,230.79 132.53,230.8 132.58,230.82 132.62,230.84 132.67,230.86 132.72,230.88 132.77,230.91 132.88,230.99 132.98,231.07 133.08,231.16 133.18,231.27 133.27,231.38 133.36,231.5 133.43,231.62 133.5,231.75 133.55,231.87 133.6,232 133.61,232.06 133.63,232.12 133.64,232.18 133.64,232.24 133.65,232.28 133.69,232.33 133.7,232.34 133.76,232.36 133.77,232.36
/A7 on Bottom: 133.83,244.96 133.84,244.95 133.89,244.91 133.89,244.9 133.91,244.84 133.91,241.24 133.64,241.23 133.64,241.29 133.63,241.35 133.62,241.41 133.6,241.47 133.58,241.54 133.56,241.6 133.53,241.66 133.51,241.72 133.47,241.78 133.44,241.85 133.4,241.91 133.36,241.96 133.28,242.08 133.19,242.19 133.09,242.29 132.99,242.38 132.88,242.47 132.78,242.54 132.73,242.57 132.67,242.6 132.62,242.62 132.57,242.64 132.53,242.66 132.48,242.67 132.43,242.68 132.39,242.69 132.35,242.7 132.27,242.82 132.27,243.26 132.44,243.4 132.48,243.4 132.53,243.42 132.58,243.43 132.62,243.45 132.67,243.47 132.72,243.5 132.77,243.53 132.88,243.6 132.98,243.68 133.08,243.78 133.18,243.88 133.27,243.99 133.36,244.11 133.43,244.23 133.5,244.36 133.55,244.49 133.6,244.61 133.61,244.67 133.63,244.73 133.64,244.79 133.64,244.86 133.65,244.89 133.69,244.94 133.7,244.95 133.76,244.97 133.77,244.97
/A7 on Bottom: 133.83,169.05 133.84,169.04 133.89,169 133.89,168.99 133.91,168.93 133.9,165.33 133.64,165.32 133.64,165.38 133.63,165.44 133.62,165.5 133.6,165.56 133.58,165.63 133.56,165.69 133.53,165.75 133.51,165.81 133.47,165.87 133.44,165.93 133.4,165.99 133.36,166.05 133.28,166.17 133.19,166.28 133.09,166.38 132.99,166.47 132.88,166.56 132.78,166.63 132.73,166.66 132.67,166.69 132.62,166.71 132.57,166.73 132.53,166.75 132.48,166.76 132.43,166.77 132.39,166.78 132.29,166.84 132.27,166.91 132.27,167.35 132.44,167.49 132.48,167.49 132.53,167.5 132.58,167.52 132.62,167.54 132.67,167.56 132.72,167.59 132.77,167.62 132.88,167.69 132.98,167.77 133.08,167.87 133.18,167.97 133.27,168.08 133.35,168.2 133.43,168.32 133.5,168.45 133.55,168.58 133.6,168.7 133.61,168.76 133.63,168.82 133.64,168.88 133.64,168.94 133.65,168.98 133.69,169.03 133.7,169.04 133.76,169.06 133.77,169.06
/A7 on Bottom: 133.83,181.63 133.84,181.62 133.88,181.58 133.89,181.57 133.9,181.51 133.9,177.9 133.64,177.9 133.63,177.96 133.62,178.02 133.61,178.08 133.6,178.14 133.58,178.2 133.55,178.26 133.53,178.33 133.5,178.39 133.47,178.45 133.43,178.51 133.4,178.57 133.36,178.63 133.27,178.74 133.18,178.85 133.08,178.96 132.98,179.05 132.88,179.13 132.77,179.2 132.72,179.23 132.67,179.26 132.62,179.29 132.57,179.31 132.52,179.32 132.47,179.34 132.43,179.35 132.38,179.35 132.35,179.36 132.29,179.41 132.27,179.93 132.44,180.06 132.48,180.07 132.52,180.08 132.57,180.1 132.62,180.11 132.67,180.14 132.72,180.16 132.77,180.19 132.87,180.27 132.98,180.35 133.08,180.44 133.17,180.55 133.26,180.66 133.35,180.78 133.43,180.9 133.49,181.03 133.55,181.15 133.59,181.28 133.61,181.34 133.62,181.4 133.63,181.46 133.64,181.52 133.65,181.56 133.68,181.61 133.69,181.62 133.75,181.64 133.77,181.64